# KiCad board job-ict-bottom-board.kicad_pcb (continued)
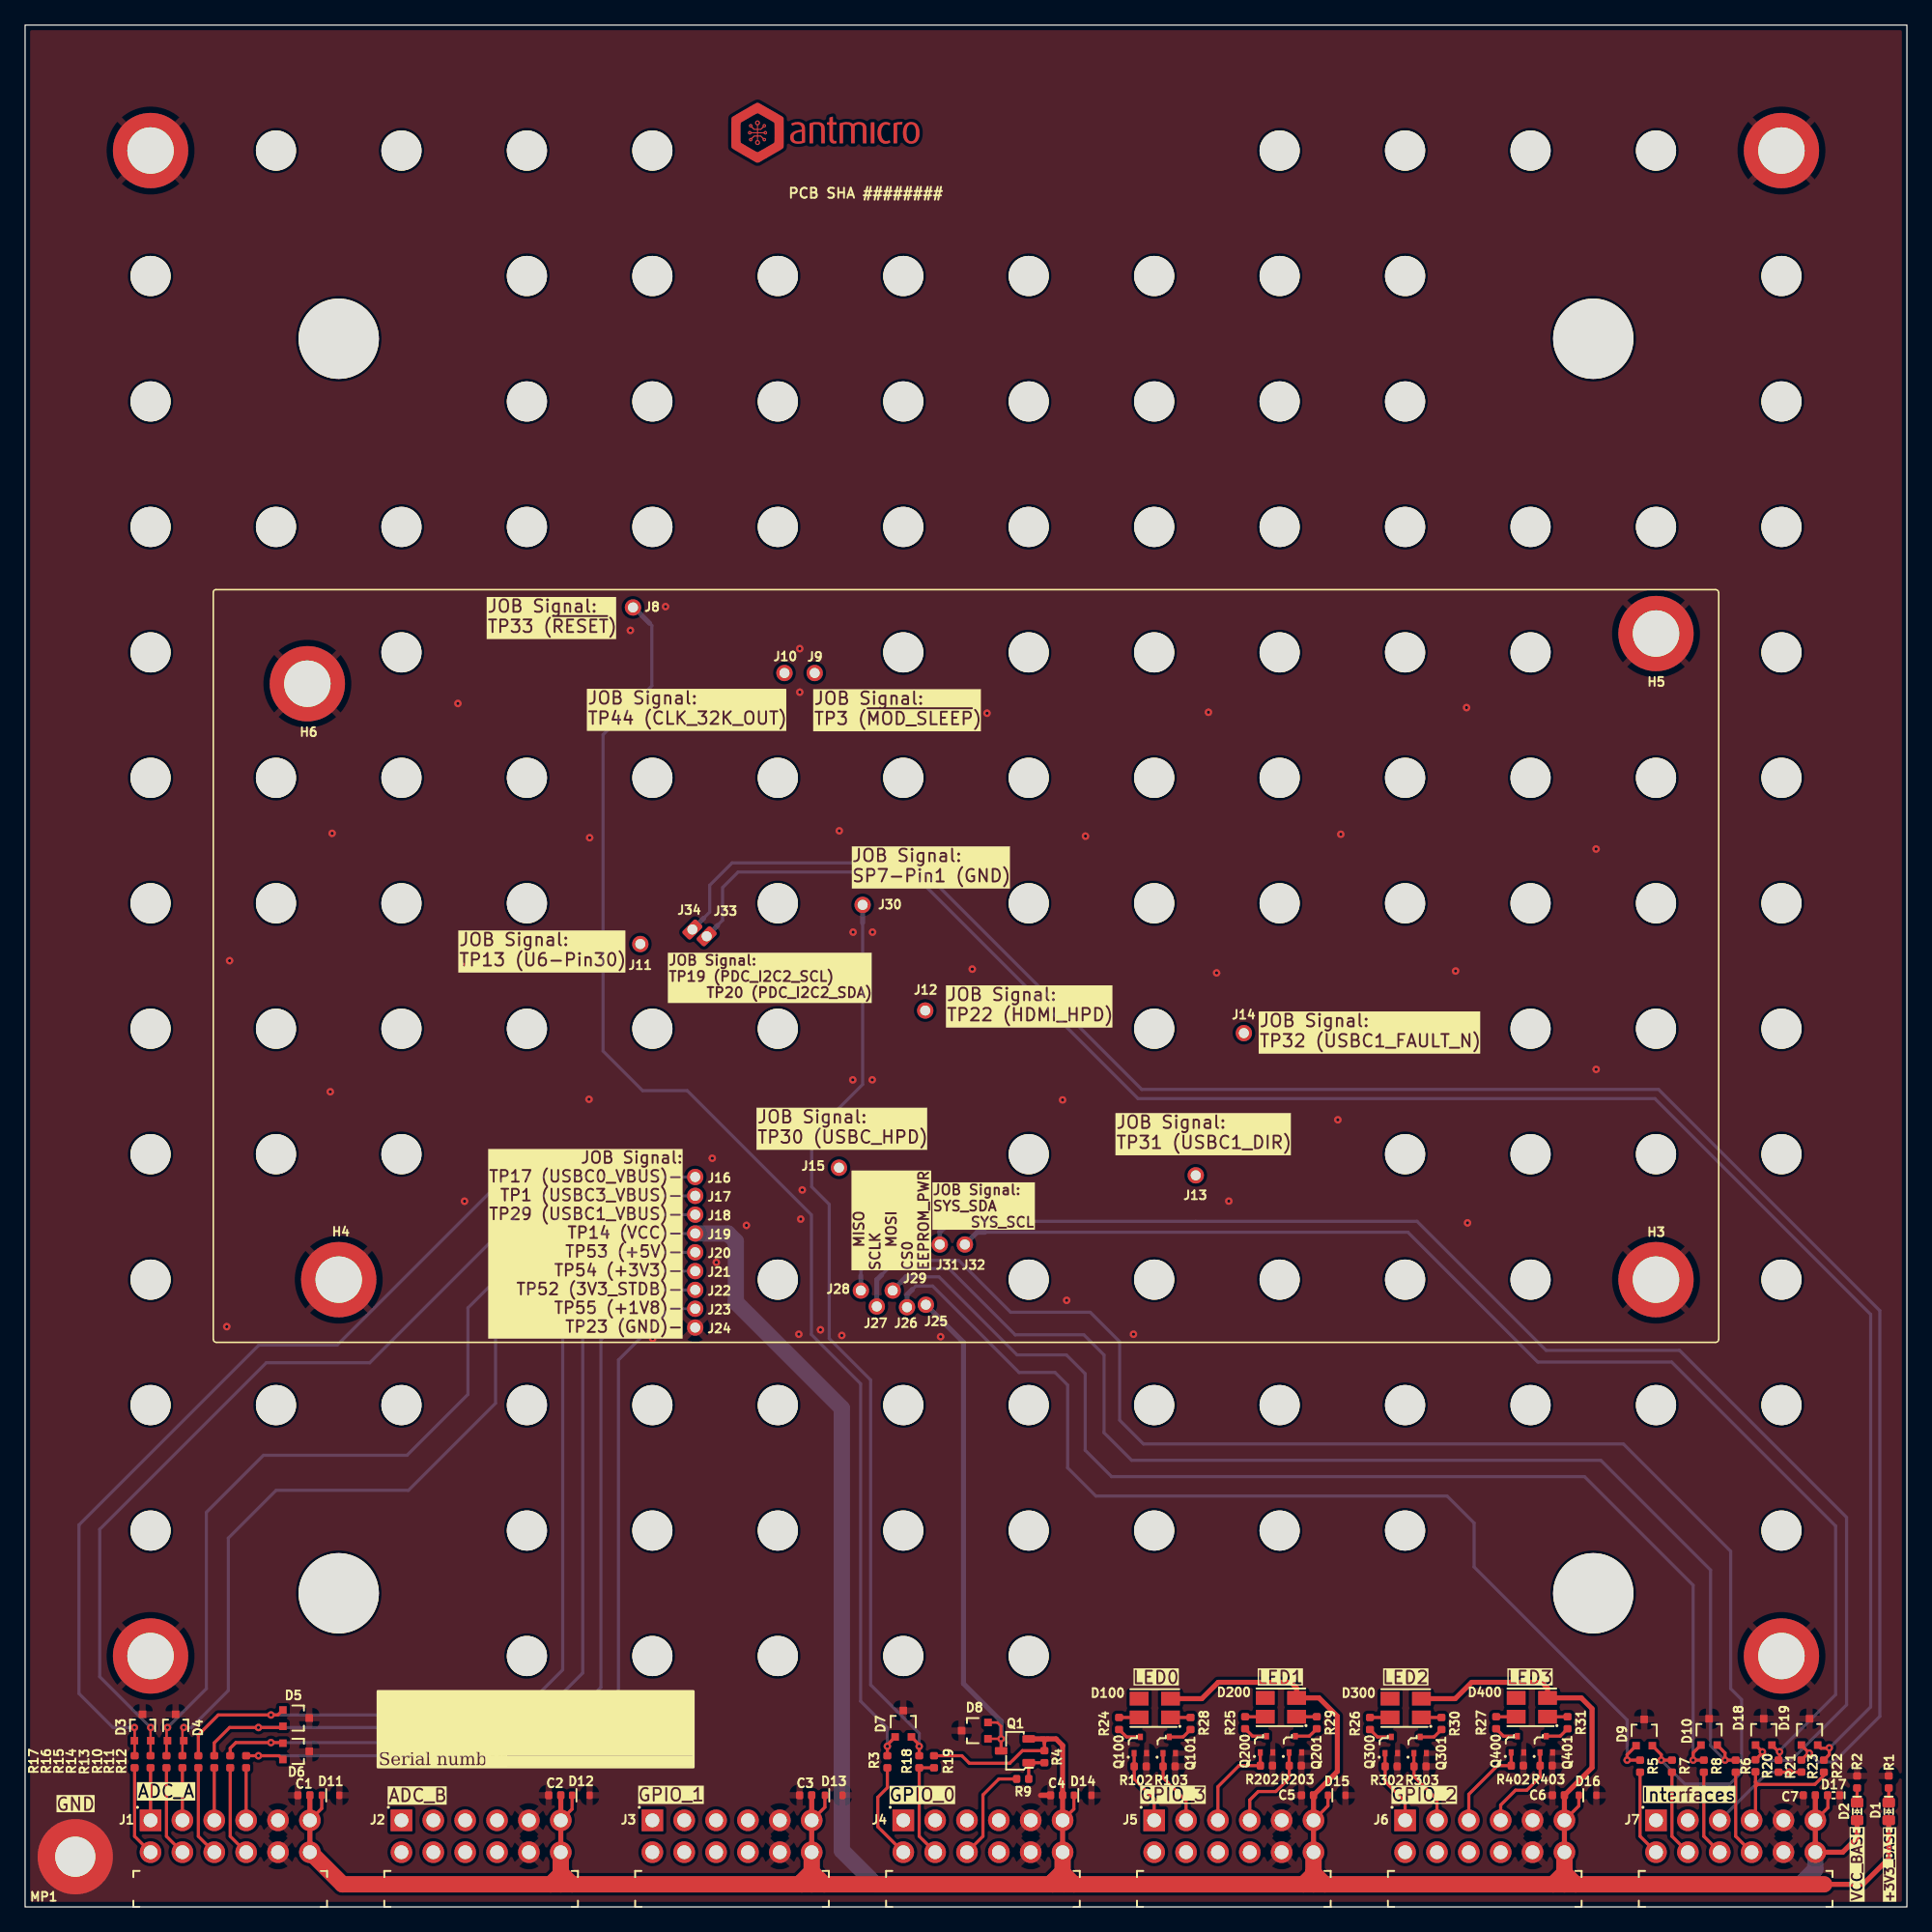
[diagram p0: board, top side]
## Placement (name value [footprint] x y rotation side) (continued)
REF**33#13  -  [MP_NPTH_Drill3.2mm]  120 60 0 top
REF**33#14  -  [MP_NPTH_Drill3.2mm]  80 60 0 top
REF**33#15  -  [MP_NPTH_Drill3.2mm]  110 50 90 top
REF**33#16  -  [MP_NPTH_Drill3.2mm]  30 70 0 top
REF**33#17  -  [MP_NPTH_Drill3.2mm]  130 60 0 top
REF**33#18  -  [MP_NPTH_Drill3.2mm]  60 50 0 top
REF**33#19  -  [MP_NPTH_Drill3.2mm]  100 50 180 top
REF**33#20  -  [MP_NPTH_Drill3.2mm]  30 80 0 top
REF**33#21  -  [MP_NPTH_Drill3.2mm]  120 50 90 top
REF**33#22  -  [MP_NPTH_Drill3.2mm]  130 70 270 top
REF**33#23  -  [MP_NPTH_Drill3.2mm]  130 90 0 top
REF**33#24  -  [MP_NPTH_Drill3.2mm]  80 50 90 top
REF**33#25  -  [MP_NPTH_Drill3.2mm]  90 40 180 top
REF**33#26  -  [MP_NPTH_Drill3.2mm]  110 60 0 top
REF**34  -  [MP_NPTH_Drill3.2mm]  70 110 0 top
REF**34#2  -  [MP_NPTH_Drill3.2mm]  80 40 180 top
REF**34#3  -  [MP_NPTH_Drill3.2mm]  70 100 0 top
REF**34#4  -  [MP_NPTH_Drill3.2mm]  70 120 0 top
REF**35  -  [MP_NPTH_Drill3.2mm]  80 120 0 top
REF**35#2  -  [MP_NPTH_Drill3.2mm]  80 100 0 top
REF**35#3  -  [MP_NPTH_Drill3.2mm]  80 110 0 top
REF**35#4  -  [MP_NPTH_Drill3.2mm]  70 40 180 top
REF**36  -  [MP_NPTH_Drill3.2mm]  90 110 0 top
REF**36#2  -  [MP_NPTH_Drill3.2mm]  90 120 0 top
REF**36#3  -  [MP_NPTH_Drill3.2mm]  60 40 180 top
REF**36#4  -  [MP_NPTH_Drill3.2mm]  90 100 0 top
REF**37  -  [MP_NPTH_Drill3.2mm]  50 40 180 top
REF**37#2  -  [MP_NPTH_Drill3.2mm]  100 120 0 top
REF**37#3  -  [MP_NPTH_Drill3.2mm]  100 100 0 top
REF**37#4  -  [MP_NPTH_Drill3.2mm]  100 110 0 top
REF**38  -  [MP_NPTH_Drill3.2mm]  110 100 0 top
REF**38#2  -  [MP_NPTH_Drill3.2mm]  110 110 0 top
REF**38#3  -  [MP_NPTH_Drill3.2mm]  110 120 0 top
REF**38#4  -  [MP_NPTH_Drill3.2mm]  40 40 180 top
REF**39  -  [MP_NPTH_Drill3.2mm]  120 100 0 top
REF**39#2  -  [MP_NPTH_Drill3.2mm]  120 110 0 top
REF**39#3  -  [MP_NPTH_Drill3.2mm]  30 40 180 top
REF**40  -  [MP_NPTH_Drill3.2mm]  130 110 0 top
REF**40#2  -  [MP_NPTH_Drill3.2mm]  20 40 180 top
REF**41  -  [MP_NPTH_Drill3.2mm]  140 120 0 top
REF**42  -  [MP_NPTH_Drill3.2mm]  10 110 0 top
REF**55  -  [MP_NPTH_Drill3.2mm]  140 110 0 top
REF**56  -  [MP_NPTH_Drill3.2mm]  10 100 0 top
REF**69  -  [MP_NPTH_Drill3.2mm]  140 100 0 top
REF**70  -  [MP_NPTH_Drill3.2mm]  10 90 0 top
REF**83  -  [MP_NPTH_Drill3.2mm]  140 90 0 top
REF**84  -  [MP_NPTH_Drill3.2mm]  10 80 0 top
REF**97  -  [MP_NPTH_Drill3.2mm]  140 80 0 top
REF**98  -  [MP_NPTH_Drill3.2mm]  10 70 0 top
REF**111  -  [MP_NPTH_Drill3.2mm]  140 70 0 top
REF**112  -  [MP_NPTH_Drill3.2mm]  10 60 0 top
REF**125  -  [MP_NPTH_Drill3.2mm]  140 60 0 top
REF**126  -  [MP_NPTH_Drill3.2mm]  10 50 0 top
REF**139  -  [MP_NPTH_Drill3.2mm]  140 50 0 top
REF**140  -  [MP_NPTH_Drill3.2mm]  10 40 0 top
REF**153  -  [MP_NPTH_Drill3.2mm]  140 40 0 top
REF**154  -  [MP_NPTH_Drill3.2mm]  10 30 0 top
REF**157  -  [MP_NPTH_Drill3.2mm]  40 30 0 top
REF**158  -  [MP_NPTH_Drill3.2mm]  50 30 0 top
REF**159  -  [MP_NPTH_Drill3.2mm]  60 30 0 top
REF**160  -  [MP_NPTH_Drill3.2mm]  70 30 0 top
REF**161  -  [MP_NPTH_Drill3.2mm]  80 30 0 top
REF**162  -  [MP_NPTH_Drill3.2mm]  90 30 0 top
REF**163  -  [MP_NPTH_Drill3.2mm]  100 30 0 top
REF**164  -  [MP_NPTH_Drill3.2mm]  110 30 0 top
REF**167  -  [MP_NPTH_Drill3.2mm]  140 30 0 top
REF**171  -  [MP_NPTH_Drill3.2mm]  40 20 0 top
REF**172  -  [MP_NPTH_Drill3.2mm]  50 20 0 top
REF**173  -  [MP_NPTH_Drill3.2mm]  60 20 0 top
REF**174  -  [MP_NPTH_Drill3.2mm]  70 20 0 top
REF**175  -  [MP_NPTH_Drill3.2mm]  80 20 0 top
REF**#2  -  [MP_NPTH_Drill6.4mm]  25 125 0 top
REF**#3  -  [antmicro-logo_scaled_15mm]  64.25 141.35 0 top
REF**#4  -  [MP_NPTH_Drill6.4mm]  125 125 270 top
REF**#5  -  [OSHW-Logo_5.7x6mm_Mask]  91.92 140.91 0 top
REF**#6  -  [MP_NPTH_Drill6.4mm]  125 25 180 top

## Library data of the parts
C1-C7 = -: Datasheet: https://www.murata.com/products/productdetail?partno=GRM155R61H104KE14%23; Description: SMD Multilayer Ceramic Capacitor, 0.1 µF, 50 V, 0402 [1005 Metric], ± 10%, X5R, GRM Series; MPN: GRM155R61H104KE14D; Manufacturer: Murata; License: Apache-2.0; Author: Antmicro; Val: 100n; Voltage: 50V; Dielectric: X5R
D1 D2 = -: Datasheet: http://www.kingbright.com/attachments/file/psearch//000/00/00/KP-1608CGCK(Ver.23B).pdf; Description: LED, Green, SMD, 0603, 20 mA, 2.1 V, 570 nm; MPN: KP-1608CGCK; Manufacturer: Kingbright; Color: Green; Author: Antmicro; License: Apache-2.0
D3 D4 = -: Datasheet: https://www.littelfuse.com/assetdocs/littelfuse-tvs-diode-array-aq24com-02-datasheet?assetguid=B7352006-E994-424F-925B-AB8903DF3B24; Description: Bidirectional TVS diode array, 30 kV, SC70-3, 24 V; MPN: AQ24COM-02JTG; Manufacturer: Littelfuse; Author: Antmicro; License: Apache-2.0
D5-D10 D18 D19 = -: Datasheet: https://www.ti.com/lit/ds/symlink/tpd2e2u06.pdf?ts=1706006131823&ref_url=https%253A%252F%252Fwww.ti.com%252Finterface%252Fdiodes%252Fesd-protection-diodes%252Fproducts.html; Description: TVS diode array, 15 kV, SC70, 5.5V, 1.5 pF; MPN: TPD2E2U06DCKR; Manufacturer: Texas Instruments; Author: Antmicro; License: Apache-2.0
D11-D16 = -: Datasheet: https://assets.nexperia.com/documents/data-sheet/PESD5Z3_3.pdf; Description: Unidirectional TVS, 30 kV,  SOD-523, 3.3 V, 172 pF; Manufacturer: Nexperia; MPN: PESD5Z3.3,115; Author: Antmicro; License: Apache-2.0
D17 = -: Datasheet: https://www.littelfuse.com/media?resourcetype=datasheets&itemid=020b2bf2-064c-4ff1-a898-b4ec805b2fea&filename=littelfuse-xtremeguard-axgd-datasheet; Description: Bidirectional TVS, 30 kV,  0402, 24 V, 0.04 pF; Manufacturer: Littelfuse; Author: Antmicro; License: Apache-2.0
D100 D200 D300 D400 = -: Datasheet: https://docs.broadcom.com/doc/AV02-4194EN; MPN: ASMB-MTB1-0A3A2; Manufacturer: Avago Technologies; Color: R, G, B; Author: Antmicro; License: Apache-2.0
H1 H2 H7 H8 = -: Datasheet: https://www.we-online.com/catalog/datasheet/9774050151.pdf; Description: Spacer, SMT, Non Stop, Steel, Swage Round, 5.1 mm x 5 mm, M2.5 Thread, WA-SMSI Series; Manufacturer: Würth Elektronik; MPN: 9774050151R; Author: Antmicro; License: Apache-2.0
H3-H6 = -: Datasheet: https://www.we-online.com/components/products/datasheet/9774065151R.pdf; Author: Antmicro; License: Apache-2.0; MPN: 9774065151R; Manufacturer: Würth Elektronik
J1-J7 = -: Datasheet: https://cdn.amphenol-cs.com/media/wysiwyg/files/drawing/10129382.pdf; Description: Connector Header, Through the hole, 12 position 0.100" (2.54mm), Right Angle; MPN: 10129382-912002BLF; Manufacturer: Amphenol; Author: Antmicro; License: Apache-2.0
J8-J34 = -: Datasheet: https://content.harwin.com/m/9a9332cff2ce4e77/original/DRG-02184-Technical-Drawing-Datasheet-S13-503-pdf.pdf; Description: Spring Probe Sleeve, Suitable for 1.27mm pitch; MPN: S13-503; Manufacturer: Harwin; Author: Antmicro; License: Apache-2.0
MP1 = -: Description: Mechanical part; Author: Antmicro; License: Apache-2.0
Q1 = -: Datasheet: https://www.onsemi.com/pub/Collateral/BSS84-D.PDF; Description: MOSFET, P Channel, 50 V, 130 mA, 10 ohm, SOT-23, Surface Mount; Manufacturer: ON Semiconductor; Author: Antmicro; License: Apache-2.0
Q100 Q101 Q200 Q201 Q300 Q301 Q400 Q401 = -: Datasheet: https://www.mouser.com/datasheet/2/1057/PJE138K-1876698.pdf; Description: MOSFET, N Channel, 50V, 0.35A, 4.5 ohm, SOT-523, Surface Mount; MPN: PJE138K_R1_00001; Manufacturer: PANJIT; Author: Antmicro; License: Apache-2.0
R1 = -: Datasheet: https://www.bourns.com/docs/product-datasheets/cr.pdf; Description: SMD Chip Resistor, 330 ohm, ± 1%, 62.5 mW, 0402 [1005 Metric], Thick Film, General Purpose; MPN: CR0402-FX-3300GLF; Manufacturer: Bourns; License: Apache-2.0; Author: Antmicro; Val: 330R; Tolerance: 1%
R2 R13 = -: Datasheet: https://www.bourns.com/docs/product-datasheets/cr.pdf; Description: SMD Chip Resistor, Ceramic, 3.9 kohm, ± 1%, 62.5 mW, 0402 [1005 Metric], Thick Film; MPN: CR0402-FX-3901GLF; Manufacturer: Bourns; License: Apache-2.0; Author: Antmicro; Val: 3k9; Tolerance: 1%
R3 R5-R12 R18 R20-R23 = -: Datasheet: https://industrial.panasonic.com/cdbs/www-data/pdf/RDA0000/AOA0000C301.pdf; Description: SMD Chip Resistor, Jumper, 0 ohm, 100 mW, 0402 [1005 Metric], Thick Film, General Purpose; MPN: ERJ2GE0R00X; Manufacturer: Panasonic; License: Apache-2.0; Author: Antmicro; Val: 0R; Current: 1A
R4 R19 R102 R103 R202 R203 R302 R303 R402 R403 = -: Datasheet: https://www.bourns.com/docs/product-datasheets/cr.pdf; Description: SMD Chip Resistor, 10 kohm, ± 1%, 62.5 mW, 0402 [1005 Metric], Thick Film, General Purpose; MPN: CR0402-FX-1002GLF; Manufacturer: Bourns; License: Apache-2.0; Author: Antmicro; Val: 10k; Tolerance: 1%
R14-R17 = -: Datasheet: https://www.bourns.com/docs/product-datasheets/cr.pdf; Description: SMD Chip Resistor; MPN: CR0402-FX-6802GLF; Manufacturer: Bourns; License: Apache-2.0; Author: Antmicro; Val: 68k; Tolerance: 1%
R24-R27 = -: Datasheet: https://www.bourns.com/docs/product-datasheets/cr.pdf; Description: SMD Chip Resistor, 1.5 kohm, ± 1%, 62.5 mW, 0402 [1005 Metric], Thick Film, General Purpose; MPN: CR0402-FX-1501GLF; Manufacturer: Bourns; License: Apache-2.0; Author: Antmicro; Val: 1k5; Tolerance: 1%
R28-R31 = -: Datasheet: https://www.bourns.com/docs/product-datasheets/cr.pdf; Description: SMD Chip Resistor, 2 kohm, ± 1%, 62.5 mW, 0402 [1005 Metric], Thick Film, General Purpose; MPN: CR0402-FX-2001GLF; Manufacturer: Bourns; License: Apache-2.0; Author: Antmicro; Val: 2k; Tolerance: 1%

## Footprints (pads in the part's own frame, mm; a bottom-side part is the same pattern mirrored in y, then rotated)
C_0402_1005Metric
  rrect 0.59x0.64 smd: 1(-0.48,0) 2(0.48,0)
D_0402_1005Metric
  rrect 0.59x0.64 smd: 1(-0.48,0) 2(0.48,0)
LED_0603_1608Metric_G
  rrect 0.8x1 smd: 1(-0.7,0) 2(0.7,0)
MP_NPTH_Drill3.2mm
  round 3.2 hole 3.2 unplated: (0,0)
MP_NPTH_Drill6.4mm
  round 6.4 hole 6.4 unplated: (0,0)
MP_Pad6mm_Drill3.2mm
  round 6 hole 3.2: 1(0,0)
PinHeader_2x6_P2.54mm_Drill1.1mm_Horizontal
  rect 1.725x1.725 hole 1.1: 1(0,0)
  round 1.725 hole 1.1: 2(0,-2.54) 3(2.54,0) 4(2.54,-2.54) 5(5.08,0) 6(5.08,-2.54) 7(7.62,0) 8(7.62,-2.54) 9(10.16,0) 10(10.16,-2.54) 11(12.7,0) 12(12.7,-2.54)
PLCC4_3.2x2.8mm
  rect 1.5x1.1 smd: 1(-1.255,0.74) 2(1.245,0.74) 3(1.245,-0.76) 4(-1.255,-0.76)
PogoPin_Harwin_1x1_H17.75mm_Drill0.8mm_CUSTOM_S13-503
  rrect 0.92x1.55 hole 0.8: 1(0,0)
PogoPin_Harwin_1x1_H17.75mm_Drill0.8mm_S13-503
  round 1.3 hole 0.8: 1(0,0)
R_0402_1005Metric
  rrect 0.59x0.64 smd: 1(-0.48,0) 2(0.48,0)
SC70-3
  rect 0.6x0.6 smd: 1(-1.051,0.65) 2(-1.051,-0.65) 3(1.05,0)
SOD-523
  rrect 0.5x0.6 smd: 1(-0.701,0) 2(0.699,0)
SOT-23-3
  rrect 1x0.6 smd: 1(-1.1,0.951) 2(-1.1,-0.949) 3(1.1,0.001)
SOT-523
  rect 0.4x0.51 smd: 1(-0.5,-0.65) 2(0.498,-0.65) 3(0,0.652)
Spacer_Drill3.7mm_H5mm_9774050151R
  custom 2.563x2.563 smd: (-1.7,-1.7) (-1.7,1.7) (1.7,-1.7) (1.7,1.7)
  round 6 hole 3.7: 1(0,0)
Spacer_Drill3.7mm_H6.5mm_9774065151R
  custom 2.563x2.563 smd: (-1.7,1.7) (-1.7,-1.7) (1.7,1.7) (1.7,-1.7)
  round 6 hole 3.7: 1(0,0)

## Nets
+3V3: C1.2 C2.2 C3.2 C4.2 C5.2 C6.2 D1.2 D11.1 D12.1 D13.1 D14.1 D15.1 D16.1 D100.4 D200.4 D300.4 D400.4 J1.11 J1.12 J2.11 J2.12 J3.11 J3.12 J4.11 J4.12 J5.11 J5.12 J6.11 J6.12 Q1.2 R4.2 R19.2
GND: C1.1 C2.1 C3.1 C4.1 C5.1 C6.1 C7.1 D3.3 D4.3 D5.3 D6.3 D7.3 D8.3 D9.3 D10.3 D11.2 D12.2 D13.2 D14.2 D15.2 D16.2 D17.1 D18.3 D19.3 H1.1 H2.1 H3.1 H4.1 H5.1 H6.1 H7.1 H8.1 J1.9 J1.10 J2.9 J2.10 J3.9 J3.10 J4.9 J4.10 J5.9 J5.10 J6.9 J6.10 J7.9 J7.10 J24.1 MP1.1 Q100.2 Q101.2 Q200.2 Q201.2 Q300.2 Q301.2 Q400.2 Q401.2 R1.1 R2.1 R102.1 R103.1 R202.1 R203.1 R302.1 R303.1 R402.1 R403.1
VCC: C7.2 D2.2 D4.2 D17.2 J7.11 J7.12 J19.1 R14.2
/ADC_A_IN0: J1.2 R17.1
/ADC_A_IN0_TVS: D3.1 J16.1 R17.2
/ADC_A_IN1: J1.4 R15.1
/ADC_A_IN1_TVS: D4.1 J18.1 R15.2
/ADC_A_IN2: J1.6 R13.2
/ADC_A_IN2_TVS: D5.1 J20.1 R13.1
/ADC_A_IN3: J1.8 R11.1
/ADC_A_IN3_TVS: D6.1 J22.1 R11.2
/ADC_A_IN4: J1.1 R16.1
/ADC_A_IN4_TVS: D3.2 J17.1 R16.2
/ADC_A_IN5: J1.3 R14.1
/ADC_A_IN6: J1.5 R10.1
/ADC_A_IN6_TVS: D5.2 J21.1 R10.2
/ADC_A_IN7: J1.7 R12.1
/ADC_A_IN7_TVS: D6.2 J23.1 R12.2
/ADC_B_IN0: J2.2
/ADC_B_IN1: J2.4
/ADC_B_IN2: J2.6
/ADC_B_IN3: J2.8
/ADC_B_IN4: J2.1
/ADC_B_IN5: J2.3
/ADC_B_IN6: J2.5
/ADC_B_IN7: J2.7
/EEPROM_PWR: D8.1 D8.2 J25.1 Q1.3
/GPIO_00: J4.2 R3.1
/GPIO_00_TVS: D7.1 J8.1 R3.2
/GPIO_01: J4.4 R18.1 R19.1
/GPIO_01_TVS: D7.2 J30.1 R18.2
/GPIO_02: J4.6 R9.1
/GPIO_03: J4.8
/GPIO_04: J4.1
/GPIO_05: J4.3
/GPIO_06: J4.5
/GPIO_07: J4.7
/GPIO_10: J3.2
/GPIO_11: J3.4
/GPIO_12: J3.6
/GPIO_13: J3.8
/GPIO_14: J3.1
/GPIO_15: J3.3
/GPIO_16: J3.5
/GPIO_17: J3.7
/GPIO_20: J6.2
/GPIO_21: J6.4
/GPIO_22: J6.6
/GPIO_23: J6.8
/GPIO_24: J6.1 Q300.1 R302.2
/GPIO_25: J6.3 Q301.1 R303.2
/GPIO_26: J6.5 Q400.1 R402.2
/GPIO_27: J6.7 Q401.1 R403.2
/GPIO_30: J5.2
/GPIO_31: J5.4
/GPIO_32: J5.6
/GPIO_33: J5.8
/GPIO_34: J5.1 Q100.1 R102.2
/GPIO_35: J5.3 Q101.1 R103.2
/GPIO_36: J5.5 Q200.1 R202.2
/GPIO_37: J5.7 Q201.1 R203.2
/I2C_SCL: J7.5 R21.1 R23.1
/I2C_SDA: J7.7 R20.1 R22.1
/PDC_I2C2_SCL: D19.1 J34.1 R23.2
/PDC_I2C2_SDA: D19.2 J33.1 R22.2
/SPI_CS0: J7.2 R5.1
/SPI_CS0_TVS: D9.1 J26.1 R5.2
/SPI_MISO: J7.4 R7.1
/SPI_MISO_TVS: D9.2 J28.1 R7.2
/SPI_MOSI: J7.6 R8.1
/SPI_MOSI_TVS: D10.1 J29.1 R8.2
/SPI_SCLK: J7.8 R6.1
/SPI_SCLK_TVS: D10.2 J27.1 R6.2
/SYS_SCL_TVS: D18.2 J32.1 R21.2
/SYS_SDA_TVS: D18.1 J31.1 R20.2
/UART_RX: J7.3
/UART_TX: J7.1
Net-(D1-C): D1.1 R1.2
Net-(D2-C): D2.1 R2.2
Net-(D100-C_{G}): D100.2 R24.2
Net-(D100-C_{R}): D100.1 R28.2
Net-(D200-C_{G}): D200.2 R25.2
Net-(D200-C_{R}): D200.1 R29.2
Net-(D300-C_{G}): D300.2 R26.2
Net-(D300-C_{R}): D300.1 R30.2
Net-(D400-C_{G}): D400.2 R27.2
Net-(D400-C_{R}): D400.1 R31.2
Net-(Q1-G): Q1.1 R4.1 R9.2
Net-(Q100-D): Q100.3 R24.1
Net-(Q101-D): Q101.3 R28.1
Net-(Q200-D): Q200.3 R25.1
Net-(Q201-D): Q201.3 R29.1
Net-(Q300-D): Q300.3 R26.1
Net-(Q301-D): Q301.3 R30.1
Net-(Q400-D): Q400.3 R27.1
Net-(Q401-D): Q401.3 R31.1

Pads without a net: D100 3; D200 3; D300 3; D400 3; J9 1; J10 1; J11 1; J12 1; J13 1; J14 1; J15 1

## Via types
v1: diameter 0.6, hole 0.25, Top to Bottom, 64 vias

## Routing (per net, layer and track width the routed paths; a pad name or vN(x,y) marks a point on that pad's centre or on a via; arc(x,y) is an arc through that point)
+3V3: length 263.2
  Top w0.25: J2.11 43.6,7.8 D12.1 ; 81.25,13.13 81.51,13.39 ; 81.25,13.13 81.25,13.15 81.01,13.39 ; 81.25,13.13 81.25,13.01 ; 81.25,13.01 81.25,13.36 81.22,13.39 ; 81.25,13.01 R4.2 79.49,12.45 78.49,11.45 75.27,11.45 74.67,12.05 R19.2 ; J4.11 83.6,7.8 D14.1 ; D13.1 63.75,7.95 J3.11 ; 103.85,8.9 103.85,8.05 J5.11 ; D11.1 23.65,7.85 J1.11 ; D16.1 123.85,8.05 J6.11
  Top w0.4: J5.12 C5.2 104.6,10.8 104.6,15.2 103.14,16.66 D200.4 101.35,17.44 100.9,17.9 95.1,17.9 93.8,16.6 D100.4 ; Q1.2 82.18,13.39 82.7,12.87 C4.2 J4.12 ; J2.12 C2.2 ; J6.12 C6.2 124.9,11.1 124.9,15.8 124.04,16.66 D400.4 121.36,17.44 120.9,17.9 115.3,17.9 114,16.6 D300.4 ; J1.12 C1.2 ; 143.4,1.8 146.5,1.8 148.55,3.85 D1.2 ; J3.12 C3.2 ; 82.7,1.9 82.8,1.8
  Top w1.3: 83.6,1.8 101.9,1.8 ; 83.6,1.8 82.7,2.7 82.7,2.8 ; 83.6,1.8 81.9,1.8 ; 101.9,1.8 102.7,2.6 102.7,2.8 ; 101.9,1.8 102.7,1.8 ; 102.7,1.8 103.6,1.8 ; 102.7,1.8 102.7,2.8 ; 103.6,1.8 121.8,1.8 ; 103.6,1.8 102.7,2.7 102.7,2.8 ; 82.7,2.8 81.9,2 81.9,1.8 ; 82.7,2.8 J4.12 ; 82.7,2.8 82.7,1.9 ; 122.7,2.9 122.7,2.7 ; 122.7,2.9 122.7,1.8 ; 122.7,2.9 J6.12 ; 122.7,2.7 121.8,1.8 ; 122.7,2.7 123.6,1.8 ; 42.7,2.9 J2.12 ; 42.7,2.9 42.7,1.8 ; 42.7,2.9 42.7,2.6 41.9,1.8 ; 42.7,2.9 42.7,2.7 43.6,1.8 ; 41.9,1.8 25.3,1.8 22.74,4.36 J1.12 ; 41.9,1.8 42.7,1.8 ; 121.8,1.8 122.7,1.8 ; 81.9,1.8 63.7,1.8 ; 62.7,2.8 61.9,2 61.9,1.8 ; 62.7,2.8 63.7,1.8 ; 62.7,2.8 J3.12 ; 62.7,2.8 62.7,1.8 ; J5.12 102.7,2.8 ; 42.7,1.8 43.6,1.8 ; 63.7,1.8 62.7,1.8 ; 43.6,1.8 61.9,1.8 ; 122.7,1.8 123.6,1.8 ; 123.6,1.8 143.4,1.8 ; 62.7,1.8 61.9,1.8
GND: length 0.8
  Top w0.4: 80.94,8.9 C4.1
  vias: v1(16.07,46.25) v1(16.3,75.42) v1(24.32,64.97) v1(24.47,85.58) v1(34.5,95.92) v1(34.88,74.97) v1(35.03,56.25) v1(44.95,64.38) v1(45,85.22) v1(48.25,101.75) v1(50.03,45.3) v1(51.05,103.65) v1(54.78,59.68) v1(55.1,51.38) v1(57.5,54.32) v1(61.68,45.65) v1(61.75,100.3) v1(61.75,96.83) v1(61.82,54.82) v1(61.95,57.15) v1(63.4,46) v1(64.9,85.78) v1(65.1,45.55) v1(66,77.7) v1(65.97,65.93) v1(67.53,65.93) v1(67.55,77.7) v1(72.97,45.45) v1(75.5,74.75) v1(76.68,95.15) v1(82.7,64.32) v1(83.03,48.35) v1(84.53,85.35) v1(88.35,45.65) v1(94.32,95.22) v1(94.97,74.45) v1(95.95,56.26) v1(104.64,62.74) v1(104.88,85.5) v1(114.02,74.6) v1(114.9,95.6) v1(114.98,54.53) v1(125.23,84.33) v1(125.23,66.76)
VCC: length 218.5
  Top w0.2: 12.65,14.25 12.54,14.14 R14.2
  Top w0.25: J7.11 143.7,7.9 143.7,8.97
  Top w0.4: D2.2 146.03,5.51 144.88,4.36 J7.12 C7.2
  Bottom w0.25: v1(12.65,14.3) 13.25,14.3 16.2,17.25 16.2,29.4 20,33.2 30.55,33.2 37.5,40.15 37.5,46.5 44.68,53.68 J19.1
  Bottom w1.3: J7.12 142.7,3 141.5,1.8 67.8,1.8 65.1,4.5 65.1,39.75 56.65,48.2 56.65,53.05 56.02,53.68 J19.1
/ADC_A_IN0: length 7.3
  Top w0.25: R17.1 8.73,5.63 J1.2
/ADC_A_IN0_TVS: length 81.8
  Top w0.2: v1(8.72,14.3) 8.73,14.28 R17.2
  Bottom w0.25: J16.1 38.28,58.18 24.88,44.78 18.63,44.78 4.3,30.45 4.3,17 7,14.3 v1(8.72,14.3)
/ADC_A_IN1: length 7.3
  Top w0.25: R15.1 11.27,5.63 J1.4
/ADC_A_IN1_TVS: length 73.5
  Top w0.2: 11.35,14.25 11.27,14.17 R15.2
  Bottom w0.25: v1(11.35,14.3) 14.45,17.4 14.45,31.45 19,36 30.45,36 35.3,40.85 35.3,47.75 42.73,55.18 J18.1
/ADC_A_IN2: length 7.3
  Top w0.25: J1.6 13.81,5.63 R13.2
/ADC_A_IN2_TVS: length 75.6
  Top w0.25: D5.1 20.15,15.3 v1(19.6,15.3) 15.4,15.3 13.81,13.71 R13.1
  Bottom w0.25: J20.1 46.54,52.18 42.85,48.49 42.85,18.9 39.25,15.3 v1(19.6,15.3)
/ADC_A_IN3: length 7.3
  Top w0.25: J1.8 16.35,5.63 R11.1
/ADC_A_IN3_TVS: length 70
  Top w0.25: R11.2 16.35,12.65 16.8,13.1 v1(19.6,13.1) 20.5,13.1 D6.1
  Bottom w0.25: J22.1 49.88,49.18 45.9,45.2 45.9,17.5 41.5,13.1 v1(19.6,13.1)
/ADC_A_IN4: length 4.2
  Top w0.25: R16.1 J1.1
/ADC_A_IN4_TVS: length 78.2
  Top w0.2: R16.2 10,14.28 v1(10.01,14.3)
  Bottom w0.25: v1(10.01,14.3) 10,14.3 5.95,18.35 5.95,30.1 19.22,43.38 27.47,43.38 40.78,56.68 J17.1
/ADC_A_IN5: length 4.2
  Top w0.25: R14.1 J1.3
/ADC_A_IN6: length 4.2
  Top w0.25: R10.1 J1.5
/ADC_A_IN6_TVS: length 73.5
  Top w0.25: D5.2 20.45,14.3 v1(18.6,14.3) 16.3,14.3 15.08,13.08 R10.2
  Bottom w0.25: J21.1 48.18,50.68 44.45,46.95 44.45,18.65 40.1,14.3 v1(18.6,14.3)
/ADC_A_IN7: length 4.2
  Top w0.25: R12.1 J1.7
/ADC_A_IN7_TVS: length 68.6
  Top w0.25: R12.2 v1(18.6,12.05) 20.25,12.05 D6.2
  Bottom w0.25: J23.1 51.38,47.68 47.3,43.6 47.3,16.4 42.95,12.05 v1(18.6,12.05)
/EEPROM_PWR: length 41.3
  Top w0.2: 76.75,14.7 77.5,14.7 77.8,14.4 v1(77.8,13.4) 76.75,13.4
  Top w0.25: Q1.3 v1(77.8,13.4)
  Bottom w0.4: v1(77.8,13.4) 77.8,14.8 74.8,17.8 74.8,45 J25.1
/GPIO_00: length 7.9
  Top w0.25: R3.1 68.73,9.5 67.97,8.74 67.97,6.39 J4.2
/GPIO_00_TVS: length 106.3
  Top w0.25: R3.2 v1(68.73,12.8) 68.73,12.93 D7.1
  Bottom w0.25: 48.52,103.58 J8.1 ; v1(68.73,12.8) 68.73,14.27 66.6,16.4 66.6,41.7 62.68,45.62 62.68,55.16 52.78,65.06 49.22,65.06 46.07,68.22 46.07,93.44 49.96,97.33 49.96,102.14 49.78,102.32
  Bottom w0.4: 49.78,102.32 48.52,103.58
/GPIO_01: length 8.4
  Top w0.25: J4.4 71.27,5.63 R18.1 R19.1
/GPIO_01_TVS: length 74.1
  Top w0.25: R18.2 v1(71.27,12.8) 71.27,12.93 D7.2
  Bottom w0.25: 66.76,78.44 66.76,65.56 62.7,61.5 62.7,57.4 64.1,56 64.1,45.3 67.4,42 67.4,17.7 71.27,13.83 v1(71.27,12.8)
  Bottom w0.4: J30.1 66.76,78.44
/GPIO_02: length 8.3
  Top w0.25: J4.6 76.35,5.63 76.35,8.93 77.62,10.2 R9.1
/GPIO_24: length 6
  Top w0.25: Q300.1 108.4,11.21 R302.2 108.41,9.99 110,8.4 J6.1
/GPIO_25: length 6.1
  Top w0.25: Q301.1 110.7,11.21 R303.2 110.71,10.39 112.54,8.56 J6.3
/GPIO_26: length 7.5
  Top w0.25: J6.5 115.08,8.98 117.36,11.26 R402.2 118.45,11.27 Q400.1
/GPIO_27: length 7.2
  Top w0.25: J6.7 117.62,8.12 118.8,9.3 119.7,9.3 120.76,10.37 R403.2 120.75,11.27 Q401.1
/GPIO_34: length 6
  Top w0.25: J5.1 90,8.6 88.41,10.19 R102.2 88.4,11.21 Q100.1
/GPIO_35: length 6.1
  Top w0.25: Q101.1 90.7,11.21 R103.2 90.71,10.29 92.54,8.46 J5.3
/GPIO_36: length 7.8
  Top w0.25: J5.5 95.08,9.58 96.76,11.26 R202.2 98.46,11.27 Q200.1
/GPIO_37: length 7.5
  Top w0.25: J5.7 97.62,8.52 98.3,9.2 99.7,9.2 100.76,10.26 100.76,11.26 100.75,11.27 Q201.1
/I2C_SCL: length 9
  Top w0.25: R23.1 v1(140.63,10.75) 140.62,10.74 R21.1
  Bottom w0.25: J7.5 138.93,10.75 v1(140.63,10.75)
/I2C_SDA: length 10.3
  Top w0.25: R20.1 137.93,9.95 ; 137.93,9.95 138.11,9.77 ; 137.93,9.95 137.93,9.6 ; 138.11,9.77 137.94,9.6 137.93,9.6 ; 138.11,9.77 142.67,9.77 143.38,10.48 R22.1 ; J7.7 137.93,7.21 137.93,9.6
/PDC_I2C2_SCL: length 154.4
  Top w0.2: v1(142.22,12.26) 142.14,12.26 ; D19.1 141.59,12.89
  Top w0.25: 142.14,12.26 R23.2 ; 141.59,12.89 v1(142.22,12.26)
  Bottom w0.25: 54.09,78.81 54.57,79.29 54.57,81.44 56.35,83.22 70.95,83.22 89.01,65.16 130.21,65.16 147.84,47.53 147.84,15.19 144.2,11.55 142.93,11.55 v1(142.22,12.26)
  Bottom w0.4: 54.09,78.81 53.21,77.93 53.21,77.89
/PDC_I2C2_SDA: length 149.2
  Top w0.25: R22.2 143.81,12.13 v1(143.81,12.68) 143.78,12.65 143.14,12.65 D19.2
  Bottom w0.25: v1(143.81,12.68) 143.85,12.68 147.11,15.94 147.11,47.23 129.91,64.43 88.71,64.43 70.65,82.49 56.83,82.49 55.6,81.26 55.6,78.65 55.19,78.25 55.19,78.23
  Bottom w0.4: 54.31,77.39 54.35,77.39 55.19,78.23
/SPI_CS0: length 6.9
  Top w0.25: J7.2 128.73,5.63 R5.1
/SPI_CS0_TVS: length 84.6
  Top w0.25: 128.41,12.85 127.7,12.14 v1(127.7,11.7) R5.2
  Bottom w0.25: 70.72,49.21 71,49.49 72.34,49.49 79.23,42.6 82.1,42.6 83.1,41.6 83.1,35 85.35,32.75 113.35,32.75 115.5,30.6 115.5,27.1 127.7,14.9 v1(127.7,11.7)
  Bottom w0.4: 70.72,49.21 70.71,49.21 70.3,48.8 J26.1
/SPI_MISO: length 6.9
  Top w0.25: R7.1 131.27,5.63 J7.4
/SPI_MISO_TVS: length 112.4
  Top w0.25: 129.71,12.85 130.42,12.14 v1(130.42,11.7) R7.2
  Bottom w0.25: 66.62,50.31 66.62,50.72 67.44,51.54 74.42,51.54 78.56,47.4 84.9,47.4 87.25,45.05 87.25,38.8 89.15,36.9 127.4,36.9 135.95,28.35 135.95,17.4 136.82,16.53 136.82,10.73 135.89,9.8 132.3,9.8 130.42,11.68 v1(130.42,11.7)
  Bottom w0.4: J28.1 66.62,50.31
/SPI_MOSI: length 6.9
  Top w0.25: R8.1 133.81,5.63 J7.6
/SPI_MOSI_TVS: length 95
  Top w0.25: R8.2 v1(132.96,11.7) 132.96,12.28 D10.1
  Bottom w0.25: v1(132.96,11.7) 132.96,25.64 124.3,34.3 86.6,34.3 84.5,36.4 84.5,42.5 83,44 79.07,44 72.85,50.22 70.26,50.22 70.25,50.23
  Bottom w0.4: 70.25,50.23 70.6,50.23 70.61,50.22 70.22,50.22 69.16,49.16 J29.1
/SPI_SCLK: length 6.9
  Top w0.25: J7.8 136.35,5.63 R6.1
/SPI_SCLK_TVS: length 100.5
  Top w0.25: R6.2 v1(135.5,11.7) 135.5,12.28 D10.2
  Bottom w0.25: 68.28,50.38 68.78,50.88 73.64,50.88 78.92,45.6 84.4,45.6 86,44 86,37.8 88.2,35.6 125.6,35.6 134.35,26.85 134.35,12.85 v1(135.5,11.7)
  Bottom w0.4: J27.1 67.89,49.99 68.28,50.38
/SYS_SCL_TVS: length 100.9
  Top w0.25: D18.2 139.77,12.37 v1(139.85,12.37) 139.85,11.78 R21.2
  Bottom w0.25: v1(139.85,12.37) 139.85,12.45 144.32,16.92 144.32,30.36 131.25,43.43 120.58,43.43 110.23,53.78 76.51,53.78
  Bottom w0.4: J32.1 75.89,53.78 76.51,53.78
/SYS_SDA_TVS: length 109
  Top w0.25: R20.2 138.43,12.23 138.43,12.31 v1(138.48,12.36) D18.1
  Bottom w0.25: 73.47,54.36 73.76,54.65 110.95,54.65 121.24,44.36 131.88,44.36 145.19,31.05 145.19,16.11 140.75,11.67 138.82,11.67 138.48,12.01 v1(138.48,12.36)
  Bottom w0.4: 73.47,54.36 72.91,53.8 J31.1
Net-(D1-C): length 1.2
  Top w0.25: R1.2 D1.1
Net-(D2-C): length 1.2
  Top w0.25: R2.2 D2.1
Net-(D100-C_{G}): length 1.6
  Top w0.25: D100.2 R24.2
Net-(D100-C_{R}): length 1.6
  Top w0.25: D100.1 R28.2
Net-(D200-C_{G}): length 1.6
  Top w0.25: D200.2 97.25,15.16
Net-(D200-C_{R}): length 1.6
  Top w0.25: D200.1 102.96,15.16
Net-(D300-C_{G}): length 1.6
  Top w0.25: D300.2 R26.2
Net-(D300-C_{R}): length 1.6
  Top w0.25: D300.1 R30.2
Net-(D400-C_{G}): length 1.6
  Top w0.25: D400.2 117.25,15.16
Net-(D400-C_{R}): length 1.6
  Top w0.25: D400.1 122.95,15.16
Net-(Q1-G): length 2.5
  Top w0.25: R4.1 Q1.1 R9.2
Net-(Q100-D): length 1.9
  Top w0.25: R24.1 87.79,13.55 Q100.3
Net-(Q101-D): length 1.9
  Top w0.25: Q101.3 92.31,13.55 R28.1
Net-(Q200-D): length 1.9
  Top w0.25: 97.25,14.2 97.84,13.61 Q200.3
Net-(Q201-D): length 1.9
  Top w0.25: 102.96,14.2 102.37,13.61 Q201.3
Net-(Q300-D): length 1.9
  Top w0.25: R26.1 107.79,13.55 Q300.3
Net-(Q301-D): length 1.9
  Top w0.25: Q301.3 112.31,13.55 R30.1
Net-(Q400-D): length 1.9
  Top w0.25: 117.25,14.2 117.84,13.61 Q400.3
Net-(Q401-D): length 1.9
  Top w0.25: Q401.3 122.37,13.61 122.95,14.2

## Copper pours and planes (outline as drawn; the poured copper is in the pictures)
GND on Top: 0,150 150,150 150,0 0,0
GND on Bottom: 15,105 135,105 135,45 15,45

## Text on the board
F.Mask: Jetson Orin Baseboard ICT Bottom Board / Rev. ${REVISION}   07/2025
F.Silkscreen: +3V3_BASE | JOB Signal: / TP19 (PDC_I2C2_SCL) / TP20 (PDC_I2C2_SDA) | JOB Signal: / SYS_SDA / SYS_SCL | PCB SHA ######## | MISO / SCLK / MOSI / CS0 / EEPROM_PWR | VCC_BASE | JOB Signal: / TP17 (USBC0_VBUS)- / TP1 (USBC3_VBUS)- / TP29 (USBC1_VBUS)- / TP14 (VCC)- / TP53 (+5V)- / TP54 (+3V3)- / TP52 (3V3_STDB)- / TP55 (+1V8)- / TP23 (GND)- | GND | ADC_A | ADC_B | JOB Signal: / TP13 (U6-Pin30) | JOB Signal: / TP33 (~{RESET}) | JOB Signal: / TP44 (CLK_32K_OUT) | GPIO_1 | JOB Signal: / TP30 (USBC_HPD) | JOB Signal: / TP3 (~{MOD_SLEEP}) | JOB Signal: / SP7-Pin1 (GND) | GPIO_0 | JOB Signal: / TP22 (HDMI_HPD) | JOB Signal: / TP31 (USBC1_DIR) | LED0 | GPIO_3 | LED1 | JOB Signal: / TP32 (USBC1_FAULT_N) | LED2 | GPIO_2 | LED3 | Interfaces | Serial number
